# Allegro board pc053a_toplevel_32.brd (continued)
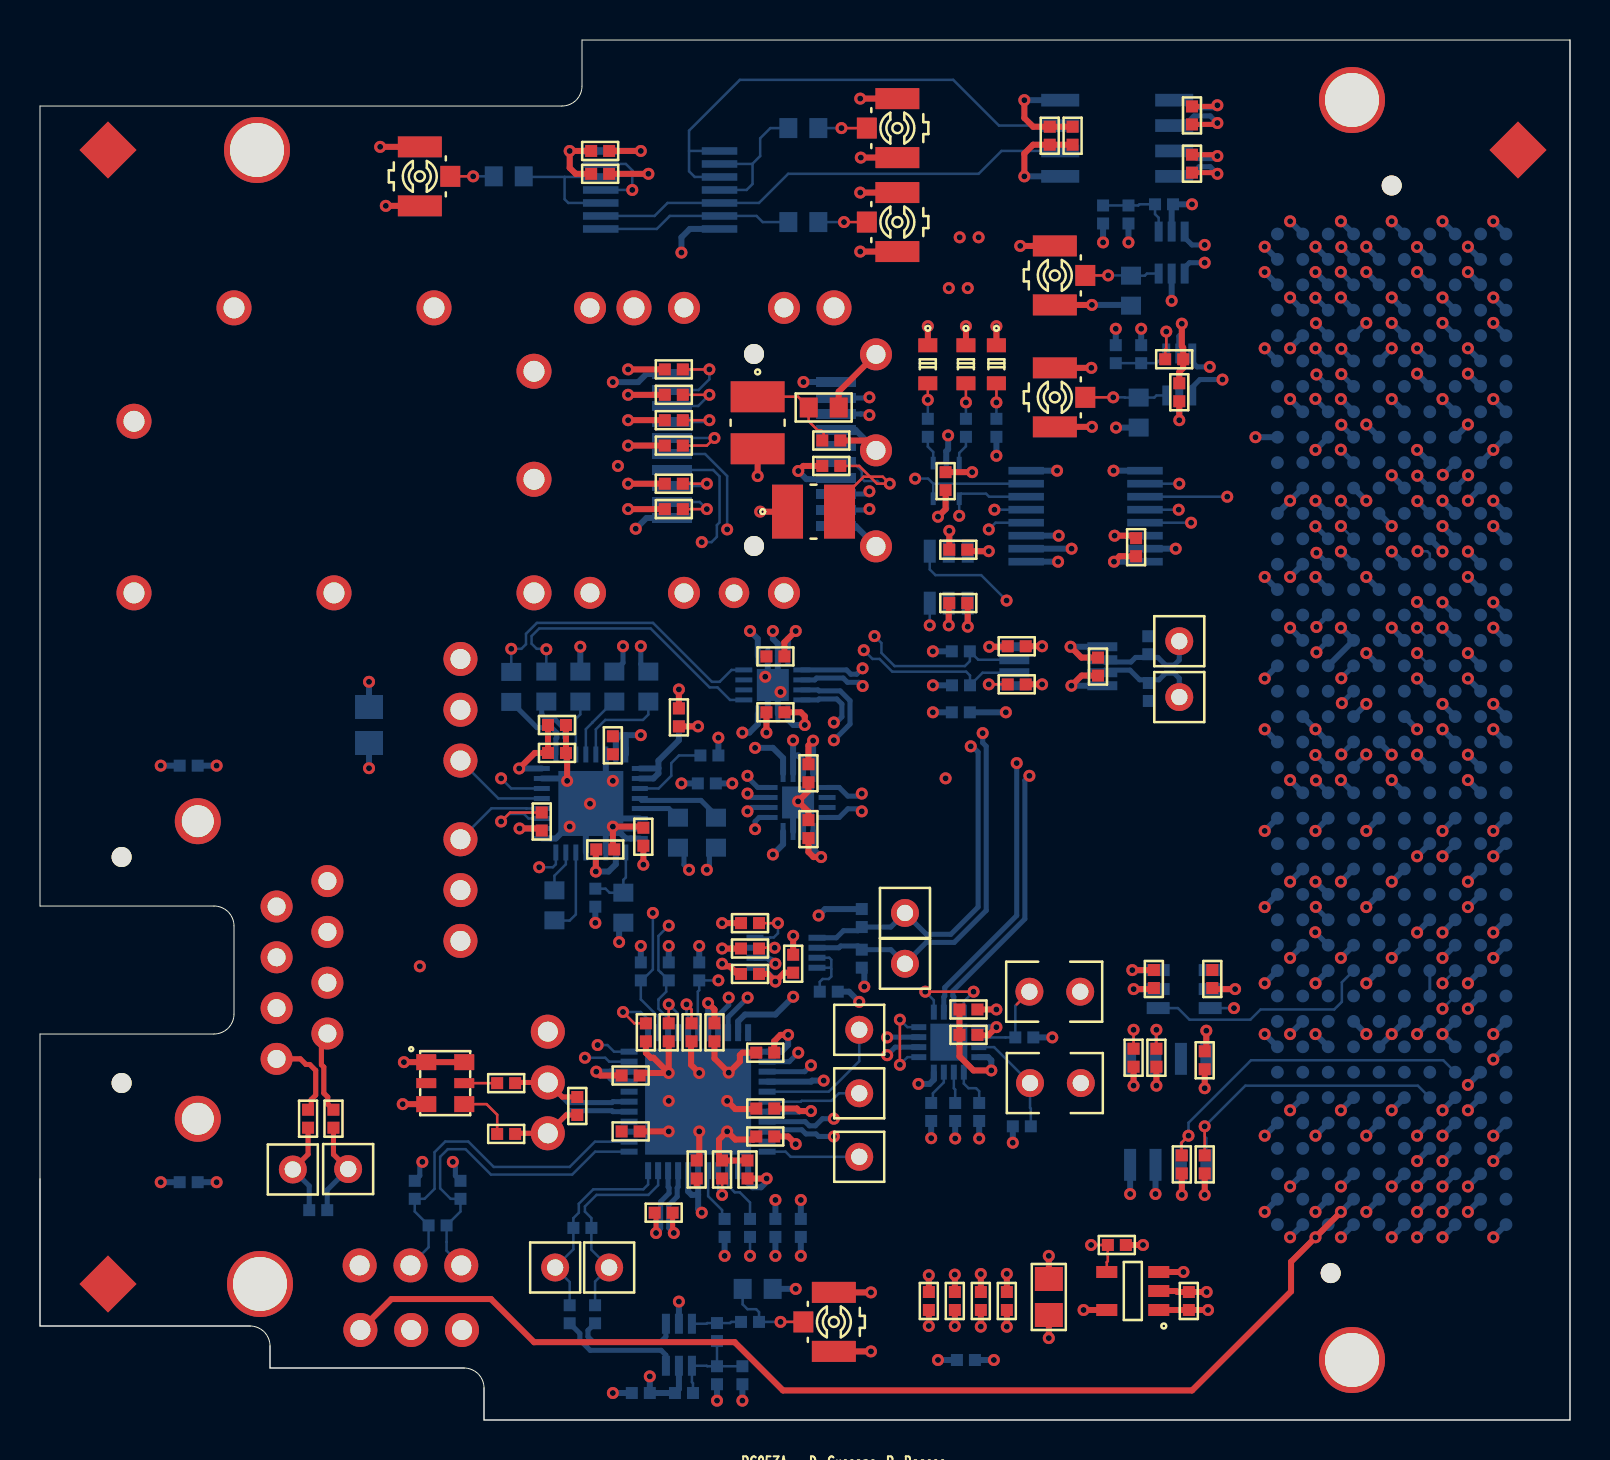
[diagram p0: board, top side]
## Footprints (pads in the part's own frame, mm; a bottom-side part is the same pattern mirrored in y, then rotated) (continued)
SC70_6L
  rect 0.254x0.635 smd: 1(0,0) 2(0.65,0) 3(1.3,0) 4(1.3,1.78) 5(0.65,1.78) 6(0,1.78)
SOIC8S_127
  rect 0.635x1.905 smd: 1(0,0) 2(1.27,0) 3(2.54,0) 4(3.81,0) 5(3.81,5.7) 6(2.54,5.7) 7(1.27,5.7) 8(0,5.7)
SOIC127P600X175-8N
  rect 1.6x0.6 smd: 1(-2.65,1.905) 2(-2.65,0.635) 3(-2.65,-0.635) 4(-2.65,-1.905) 5(2.65,-1.905) 6(2.65,-0.635) 7(2.65,0.635) 8(2.65,1.905)
SOP50P310X90-8N
  rect 0.85x0.3 smd: 1(-1.55,0.75) 2(-1.55,0.25) 3(-1.55,-0.25) 4(-1.55,-0.75) 5(1.55,-0.75) 6(1.55,-0.25) 7(1.55,0.25) 8(1.55,0.75)
SOP65P210X110-6N
  rect 1x0.4 smd: 1(-1.05,0.65) 2(-1.05,0) 3(-1.05,-0.65) 4(1.05,-0.65) 5(1.05,0) 6(1.05,0.65)
SOP65P490X110-8N
  rect 1.5x0.45 smd: 1(-2.2,0.975) 2(-2.2,0.325) 3(-2.2,-0.325) 4(-2.2,-0.975) 5(2.2,-0.975) 6(2.2,-0.325) 7(2.2,0.325) 8(2.2,0.975)
SOT95P280X110-5N
  rect 1.05x0.6 smd: 1(-1.3,0.95) 2(-1.3,0) 3(-1.3,-0.95) 4(1.3,-0.95) 5(1.3,0.95)
SOT95P280X145-6N
  rect 1.15x0.6 smd: 1(-1.3,0.95) 2(-1.3,0) 3(-1.3,-0.95) 4(1.3,-0.95) 5(1.3,0) 6(1.3,0.95)
TP_HOLE_08
  round 1.397 hole 0.813: 1(0,0)
TSSOP14MA_065
  rect 0.381x1.778 smd: 1(0,0) 2(0.65,0) 3(1.3,0) 4(1.95,0) 5(2.6,0) 6(3.25,0) 7(3.9,0) 8(3.9,5.94) 9(3.25,5.94) 10(2.6,5.94) 11(1.95,5.94) 12(1.3,5.94) 13(0.65,5.94) 14(0,5.94)
TSSOP16MA_065
  rect 0.381x1.778 smd: 1(0,0) 2(0.65,0) 3(1.3,0) 4(1.95,0) 5(2.6,0) 6(3.25,0) 7(3.9,0) 8(4.55,0) 9(4.55,5.94) 10(3.9,5.94) 11(3.25,5.94) 12(2.6,5.94) 13(1.95,5.94) 14(1.3,5.94) 15(0.65,5.94) 16(0,5.94)
TYCO_1888247-1
  round 1 hole 1.4 unplated: (0,-4.8) (0,4.8)
  rect 2x0.5 smd: 1(-4.1,3.4) 2(-4.1,2.6) 3(-4.1,1.8) 4(-4.1,1) 5(-4.1,0.2) 6(-4.1,-0.6) 7(-4.1,-1.4) 8(-4.1,-2.2) 9(-4.1,-3) 10(-4.1,-3.8) 11(4.1,-3.4) 12(4.1,-2.6) 13(4.1,-1.8) 14(4.1,-1) 15(4.1,-0.2) 16(4.1,0.6) 17(4.1,1.4) 18(4.1,2.2) 19(4.1,3) 20(4.1,3.8)
unnamed#2
  rect 2.007x2.007 smd rot 135: (0,0)
  rect 2.007x2.007 smd rot 45: (0,0)
unnamed#3
  round 3.302 hole 2.7: (0,0)

## Nets
GND: C3.2(B<0>) C4.2(B<0>) C5.2(B<0>) C6.2(B<0>) C7.1(A<0>) C8.1(A<0>) C9.1(A<0>) C10.1(A<0>) C11.1(A<0>) C12.1(A<0>) C13.1(A<0>) C14.1(A<0>) C15.1(A<0>) C16.1(A<0>) C17.1(A<0>) C18.1(A<0>) C19.1(A<0>) C20.1(A<0>) C29.1(A<0>) C30.1(A<0>) C31.1(A<0>) C32.1(A<0>) C33.1(A<0>) C34.1(A<0>) C35.1(A<0>) C36.1(A<0>) C37.1(A<0>) C38.1(A<0>) C40.1(A<0>) C41.1(A<0>) C42.1(A<0>) C45.1(A<0>) C46.1(A<0>) C47.1(A<0>) C48.1(A<0>) C49.1(A<0>) C51.1(A<0>) C52.1(A<0>) C53.1(A<0>) C54.2(B<0>) C55.2(B<0>) C56.2(B<0>) C57.1(A<0>) C58.1(A<0>) C59.1(A<0>) C60.1(A<0>) C61.1(A<0>) C62.1(A<0>) C63.1(A<0>) C64.1(A<0>) C65.1(A<0>) C66.1(A<0>) C67.1(A<0>) C68.1(A<0>) C69.1(A<0>) C70.1(A<0>) C71.1(A<0>) C72.1(A<0>) C107.1(A<0>) C117.1(A<0>) IC1.1 IC2.3(A2) IC2.4(VSS) IC3.12 IC3.16 IC4.45 IC5.2(VEE) IC6.2(VEE) IC7.2(VEE) IC8.5 IC9.7 IC10.8 IC10.9 IC10.14(2OE*) IC10.15(1OE*) IC11.2 IC12.6(SLICEP) IC12.7(SLICEN) IC12.8 IC12.11(REFCLKN) IC12.13 IC12.17 IC12.23 IC12.30 IC12.33(PAD) IC13.6 IC13.7 IC13.14 IC13.15 IC13.17 IC14.2(GND) IC14.5(DIR) IC15.4 IC16.2(GND) IC16.5(DIR) IC17.6 IC17.7 IC17.14 IC17.15 IC17.17 J1.9 J1.10 J2.1(A<0>) J3.1(A<0>) J4.1(VEET1) J4.10(VEER1) J4.11(VEER2) J4.14(VEER3) J4.17(VEET2) J4.20(VEET3) J5.2(A<1>) J6.2(A<1>) J8.1(A<0>) LD1.2(B) LD2.2(B) LD3.2(B) P1.A1(A<1>) P1.A4(A<4>) P1.A5(A<5>) P1.A8(A<8>) P1.A9(A<9>) P1.A12(A<12>) P1.A13(A<13>) P1.A16(A<16>) P1.A17(A<17>) P1.A20(A<20>) P1.A21(A<21>) P1.A24(A<24>) P1.A25(A<25>) P1.A28(A<28>) P1.A29(A<29>) P1.A32(A<32>) P1.A33(A<33>) P1.A36(A<36>) P1.A37(A<37>) P1.A40(A<40>) P1.B2(B<2>) P1.B3(B<3>) P1.B6(B<6>) P1.B7(B<7>) P1.B10(B<10>) P1.B11(B<11>) P1.B14(B<14>) P1.B15(B<15>) P1.B18(B<18>) P1.B19(B<19>) P1.B22(B<22>) P1.B23(B<23>) P1.B26(B<26>) P1.B27(B<27>) P1.B30(B<30>) P1.B31(B<31>) P1.B34(B<34>) P1.B35(B<35>) P1.B38(B<38>) P1.B39(B<39>) P1.C1(C<1>) P1.C4(C<4>) P1.C5(C<5>) P1.C8(C<8>) P1.C9(C<9>) P1.C12(C<12>) P1.C13(C<13>) P1.C16(C<16>) P1.C17(C<17>) P1.C20(C<20>) P1.C21(C<21>) P1.C24(C<24>) P1.C25(C<25>) P1.C28(C<28>) P1.C29(C<29>) P1.C32(C<32>) P1.C33(C<33>) P1.C36(C<36>) P1.C38(C<38>) P1.C40(C<40>) P1.D2(D<2>) P1.D3(D<3>) P1.D6(D<6>) P1.D7(D<7>) P1.D10(D<10>) P1.D13(D<13>) P1.D16(D<16>) P1.D19(D<19>) P1.D22(D<22>) P1.D25(D<25>) P1.D28(D<28>) P1.D37(D<37>) P1.D39(D<39>) P1.E1(E<1>) P1.E4(E<4>) P1.E5(E<5>) P1.E8(E<8>) P1.E11(E<11>) P1.E14(E<14>) P1.E17(E<17>) P1.E20(E<20>) P1.E23(E<23>) P1.E26(E<26>) P1.E29(E<29>) P1.E32(E<32>) P1.E35(E<35>) P1.E38(E<38>) P1.E40(E<40>) P1.F2(F<2>) P1.F3(F<3>) P1.F6(F<6>) P1.F9(F<9>) P1.F12(F<12>) P1.F15(F<15>) P1.F18(F<18>) P1.F21(F<21>) P1.F24(F<24>) P1.F27(F<27>) P1.F30(F<30>) P1.F33(F<33>) P1.F36(F<36>) P1.F39(F<39>) P1.G1(G<1>) P1.G4(G<4>) P1.G5(G<5>) P1.G8(G<8>) P1.G11(G<11>) P1.G14(G<14>) P1.G17(G<17>) P1.G20(G<20>) P1.G23(G<23>) P1.G26(G<26>) P1.G29(G<29>) P1.G32(G<32>) P1.G35(G<35>) P1.G38(G<38>) P1.G40(G<40>) P1.H2(H<2>) P1.H3(H<3>) P1.H6(H<6>) P1.H9(H<9>) P1.H12(H<12>) P1.H15(H<15>) P1.H18(H<18>) P1.H21(H<21>) P1.H24(H<24>) P1.H27(H<27>) P1.H30(H<30>) P1.H33(H<33>) P1.H36(H<36>) P1.H39(H<39>) P1.J1(J<1>) P1.J4(J<4>) P1.J5(J<5>) P1.J8(J<8>) P1.J11(J<11>) P1.J14(J<14>) P1.J17(J<17>) P1.J20(J<20>) P1.J23(J<23>) P1.J26(J<26>) P1.J29(J<29>) P1.J32(J<32>) P1.J35(J<35>) P1.J38(J<38>) P1.J40(J<40>) P1.K2(K<2>) P1.K3(K<3>) P1.K6(K<6>) P1.K9(K<9>) P1.K12(K<12>) P1.K15(K<15>) P1.K18(K<18>) P1.K21(K<21>) P1.K24(K<24>) P1.K27(K<27>) P1.K30(K<30>) P1.K33(K<33>) P1.K36(K<36>) P1.K39(K<39>) PX1.2 PX1.3 PX2.2 PX2.3 PX3.2 PX3.3 PX4.2 PX4.3 PX5.2 PX5.3 PX6.2 PX6.3 QZ1.3 R2.1(A<0>) R3.2(B<0>) R5.1(A<0>) R6.1(A<0>) R10.2(B<0>) R12.2(B<0>) R17.1(A<0>) R19.1(A<0>) R20.2(B<0>) R21.2(B<0>) R27.1(A<0>) R30.1(A<0>) R31.1(A<0>) R33.1(A<0>) R34.1(A<0>) R36.1(A<0>) R38.1(A<0>) REG1.2(GND) SFP1.1 SFP1.2 SFP1.3 SFP1.4 SFP1.5 SFP1.6 SFP1.7 SFP1.8 SFP1.9 SFP1.10 SFP1.11 SFP1.12 SFP1.13 SFP1.14 SFP1.15 SFP1.16 SFP1.17 SFP1.18 SFP1.19 SFP1.20
P1V8: C12.2(B<0>) C13.2(B<0>) C14.2(B<0>) C19.2(B<0>) C20.2(B<0>) C65.2(B<0>) C117.2(B<0>) IC1.2(VREF1) IC4.21 IC4.32 IC4.39 IC4.40 IC16.1(VCCA) R13.2(B<0>) R14.2(B<0>) R15.2(B<0>) R16.2(B<0>) R40.1(A<0>) R41.1(A<0>) REG1.5(OUT)
P3V3: C3.1(A<0>) C4.1(A<0>) C5.1(A<0>) C6.1(A<0>) C7.2(B<0>) C8.2(B<0>) C9.2(B<0>) C10.2(B<0>) C15.2(B<0>) C29.2(B<0>) C30.2(B<0>) C31.2(B<0>) C32.2(B<0>) C33.2(B<0>) C34.2(B<0>) C35.2(B<0>) C36.2(B<0>) C37.2(B<0>) C40.2(B<0>) C41.2(B<0>) C45.2(B<0>) C46.2(B<0>) C47.2(B<0>) C48.2(B<0>) C49.2(B<0>) C54.1(A<0>) C55.1(A<0>) C56.1(A<0>) C57.2(B<0>) C58.2(B<0>) C59.2(B<0>) C60.2(B<0>) C66.2(B<0>) C69.2(B<0>) C70.2(B<0>) C71.2(B<0>) C72.2(B<0>) C107.2(B<0>) IC3.9 IC4.8 IC4.9 IC4.18(VDDO0) IC4.23(VDDO1) IC4.26 IC4.29(VDDO2) IC4.34(VDDO3) IC5.5(VCC) IC6.5(VCC) IC7.5(VCC) IC8.8 IC9.14 IC10.1 IC12.1 IC12.2 IC12.10(REFCLKP) IC12.12 IC12.18 IC12.24 IC12.31 IC12.32 IC13.5 IC13.8 IC13.13 IC13.16 IC14.1(VCCA) IC15.8(VCCB) IC17.5 IC17.8 IC17.13 IC17.16 J8.2(A<1>) L1.2(B<0>) L2.1(A<0>) P1.C39(C<39>) P1.D36(D<36>) P1.D38(D<38>) P1.D40(D<40>) QZ1.1(EN) QZ1.6 R4.2(B<0>) R22.1(A<0>) R23.1(A<0>) R24.2(B<0>) R25.2(B<0>) R28.1(A<0>) R29.1(A<0>) R32.2(B<0>) R35.2(B<0>) R37.2(B<0>) R56.2(B<0>) R57.2(B<0>) R140.1(A<0>) R411.1(A<0>) REG1.1(IN) REG1.3(EN)
P12V: P1.C35(C<35>) P1.C37(C<37>)
VCC: IC11.5
CDR_LOL: IC10.6(2A<0>) IC11.1(A<0>) IC12.16(LOL)
CDR_LOS: IC10.7(2A<0>) IC11.3(A<0>) IC12.22(LOS)
CLK_RST: IC4.17(RST*) IC16.3(A) R16.1(A<0>)
CLK_SCL: IC1.3(SCL1) IC4.14(SCLK) R14.1(A<0>) R41.2(B<0>)
CLK_SDA: IC1.4(SDA1) IC4.13(SDA/SDIO) R15.1(A<0>) R40.2(B<0>)
CTRLVCC: P1.D32(D<32>)
CVCC: C16.2(B<0>) C17.2(B<0>) C18.2(B<0>) C61.2(B<0>) C67.2(B<0>) C68.2(B<0>) IC2.8(VCC) IC10.2(1DIR) IC10.3(2DIR) IC10.16 IC14.6(VCCB) IC15.1(VCCA) IC16.6(VCCB) J8.3(A<2>) P1.G39(G<39>) P1.H40(H<40>) R1.2(B<0>) R39.2(B<0>) R42.2(B<0>) R43.2(B<0>) R103.2(B<0>) R138.2(B<0>) R142.2(B<0>) R143.2(B<0>) R242.2(B<0>) R1328.2(B<0>)
F_CDR_CLK_N: IC12.25(CLKOUTN) R55.1(A<0>)
F_CDR_CLK_P: IC12.26(CLKOUTP) R54.1(A<0>)
F_CDR_D_N: R53.2(B<0>)
F_CDR_D_P: R52.2(B<0>)
F_FMC_CLK_N: IC4.42(IN3/FB_IN*) P1.G7(G<7>) R18.1(A<0>)
F_FMC_CLK_P: IC4.41(IN3/FB_IN) P1.G6(G<6>) R18.2(B<0>)
F_GPIO_OUT0_N: IC8.4(RIM<0>) P1.G10(G<10>) R45.1(A<0>)
F_GPIO_OUT0_P: IC8.3(RIP<0>) P1.G9(G<9>) R45.2(B<0>)
F_GPIO_OUT1_N: IC8.1(RIM<0>) P1.H8(H<8>) R46.1(A<0>)
F_GPIO_OUT1_P: IC8.2(RIP<0>) P1.H7(H<7>) R46.2(B<0>)
F_MCX_CLK_N: C26.1(A<0>) IC5.6(Q*)
F_MCX_CLK_P: C23.1(A<0>) IC5.1(Q)
F_RJ45_CLK_N: C28.1(A<0>) J1.2(A<1>)
F_RJ45_CLK_P: C22.1(A<0>) J1.1(A<0>)
F_RJ45_D_N: J1.5(A<4>) P1.G19(G<19>)
F_RJ45_D_P: J1.4(A<3>) P1.G18(G<18>)
F_SFP_N: IC13.4(IN*) J4.12(RD-)
F_SFP_P: IC13.1(IN) J4.13(RD+)
FMC_DI_N: P1.H23(H<23>)
FMC_DI_P: P1.H22(H<22>)
FMC_GA0: IC2.2(A1) P1.C34(C<34>) R138.1(A<0>)
FMC_GA1: IC2.1(A0) P1.D35(D<35>) R1328.1(A<0>)
FMC_LA07_N: IC15.3(SDAA) P1.H14(H<14>) R142.1(A<0>) TP2.1(A<0>)
FMC_LA07_P: IC15.2(SCLA) P1.H13(H<13>) R143.1(A<0>) TP4.1(A<0>)
FMC_LA11_N: IC1.5(SDA2) P1.H17(H<17>) R242.1(A<0>) TP1.1(A<0>)
FMC_LA11_P: IC1.6(SCL2) P1.H16(H<16>) R43.1(A<0>) TP3.1(A<0>)
FMC_SCL: IC2.6(SCL) J5.3(A<2>) P1.C30(C<30>) R103.1(A<0>)
FMC_SDA: IC2.5(SDA) J6.3(A<2>) P1.C31(C<31>) R39.1(A<0>)
FPGA_CDR_LOL: IC10.11(2B<0>) P1.G12(G<12>)
FPGA_CDR_LOS: IC10.10(2B<0>) P1.G13(G<13>)
FPGA_CLK_RST: IC16.4(B) P1.G30(G<30>)
FPGA_SFP_LOS: IC10.12(1B<0>) P1.D14(D<14>)
FPGA_SFP_TX_DIS: IC14.4(B) P1.D17(D<17>)
FPGA_SFP_TX_FLT: IC10.13(1B<0>) P1.D18(D<18>)
GPIO_IN0_N: IC6.6(Q*) P1.C11(C<11>)
GPIO_IN0_P: IC6.1(Q) P1.C10(C<10>)
GPIO_IN1_N: IC7.6(Q*) P1.D12(D<12>)
GPIO_IN1_P: IC7.1(Q) P1.D11(D<11>)
IN_N: C44.2(B<0>) IC12.4(NIN)
IN_P: C43.2(B<0>) IC12.5(PIN)
IN_SEL0: IC4.3(IN_SEL0) R17.2(B<0>)
IN_SEL1: IC4.37(IN_SEL1) R19.2(B<0>)
OSC_CLK_N: C25.2(B<0>) IC4.6(XB) J2.2(A<1>) R7.2(B<0>)
OSC_CLK_P: C21.2(B<0>) IC4.5(XA) J2.3(A<2>) R7.1(A<0>)
REC_CLK_N: C27.1(A<0>) IC17.11(Q0*)
REC_CLK_P: C24.1(A<0>) IC17.12(Q0)
S_CLK_IN: C50.1(A<0>) PX1.1(A) R27.2(B<0>)
S_GPIO_IN0: IC6.3(+IN) PX2.1(A) R30.2(B<0>)
S_GPIO_IN1: IC7.3(+IN) PX3.1(A) R31.2(B<0>)
SFP_LOS: IC10.5(1A<0>) J4.8(LOS) R23.2(B<0>)
SFP_SCL: IC12.20(SCK) IC15.7(SCLB) J4.5(MOD_DEF1/SCL) J5.1(A<0>) R411.2(B<0>)
SFP_SDA: IC12.21(SDA) IC15.6(SDAB) J4.4(MOD_DEF2/SDA) J6.1(A<0>) R140.2(B<0>)
SFP_TX_DISABLE: IC14.3(A) J4.3(TX_DISABLE) R28.2(B<0>)
SFP_TX_FAULT: IC10.4(1A<0>) J4.2(TX_FAULT) R29.2(B<0>)
T_CDR_N: C44.1(A<0>) IC13.9(Q1*)
T_CDR_P: C43.1(A<0>) IC13.10(Q1)
T_FFD_CLK_N: IC3.2(CLK*) IC4.19(OUT0*)
T_FFD_CLK_P: IC3.3(CLK) IC4.20(OUT0)
T_FFD_D_N: IC3.6(D*) P1.G22(G<22>)
T_FFD_D_P: IC3.7(D) P1.G21(G<21>)
T_FMC_CLK_N: IC4.24(OUT1*) P1.H5(H<5>)
T_FMC_CLK_P: IC4.25(OUT1) P1.H4(H<4>)
T_FMC_N: IC13.11(Q0*)
T_FMC_P: IC13.12(Q0)
T_FMC_REC_CLK_N: IC17.9(Q1*) P1.G3(G<3>)
T_FMC_REC_CLK_P: IC17.10(Q1) P1.G2(G<2>)
T_MCX_CLK: IC9.11(A<0>) IC9.13(A<0>) R26.2(B<0>)
T_RJ45_CLK_N: IC4.30(OUT2*) J1.6(A<5>)
T_RJ45_CLK_P: IC4.31(OUT2) J1.3(A<2>)
T_RJ45_D_N: J1.8(A<7>) P1.H29(H<29>)
T_RJ45_D_P: J1.7(A<6>) P1.H28(H<28>)
T_SFP_N: C2.1(A<0>) J4.19(TD-)
T_SFP_P: C1.1(A<0>) J4.18(TD+)
UNNAMED_2_CON400P40ABCDEFGHJK_I: P1.D30(D<30>) P1.D31(D<31>)
UNNAMED_2_PCA9306_I276_EN: IC1.7(VREF2) IC1.8(EN) R1.1(A<0>)
UNNAMED_2_PCA9517_I162_EN: IC15.5(EN) R42.1(A<0>)
UNNAMED_3_CAPACITOR_I303_B: C2.2(B<0>) IC3.11(Q*) R6.2(B<0>)
UNNAMED_3_CAPACITOR_I304_B: C1.2(B<0>) IC3.10(Q) R5.2(B<0>)
UNNAMED_3_NBSG53A_I298_OLS: IC3.13(OLS) R3.1(A<0>)
UNNAMED_3_NBSG53A_I298_R: IC3.15(R) R2.2(B<0>)
UNNAMED_3_NBSG53A_I298_SEL: IC3.14(SEL) R4.1(A<0>)
UNNAMED_3_NBSG53A_I298_VTCLK: IC3.1(VTCLK*) IC3.4(VTCLK)
UNNAMED_3_NBSG53A_I298_VTD: IC3.5(VTD*) IC3.8(VTD)
UNNAMED_4_CAPCERSMDCL2_I90_B: C11.2(B<0>) REG1.4(NR)
UNNAMED_4_CAPCERSMDCL2_I113_B: C23.2(B<0>) IC4.43(IN0) R9.1(A<0>) TP7.1(A<0>)
UNNAMED_4_CAPCERSMDCL2_I114_B: C26.2(B<0>) IC4.44(IN0*) R9.2(B<0>) TP8.1(A<0>)
UNNAMED_4_CAPCERSMDCL2_I115_B: C24.2(B<0>) IC4.1(IN1) J3.3(A<2>) R11.2(B<0>)
UNNAMED_4_CAPCERSMDCL2_I116_B: C27.2(B<0>) IC4.2(IN1*) J3.2(A<1>) R11.1(A<0>)
UNNAMED_4_CAPCERSMDCL2_I117_B: C22.2(B<0>) IC4.10(IN2) R8.1(A<0>) TP5.1(A<0>)
UNNAMED_4_CAPCERSMDCL2_I118_B: C28.2(B<0>) IC4.11(IN2*) R8.2(B<0>) TP6.1(A<0>)
UNNAMED_4_CAPCERSMDCL2_I119_A: C21.1(A<0>) QZ1.4(OUTP)
UNNAMED_4_CAPCERSMDCL2_I120_A: C25.1(A<0>) QZ1.5(OUTN)
UNNAMED_4_RSMD0402_I16_A: IC4.12(OE*) R10.1(A<0>)
UNNAMED_4_RSMD0402_I47_A: IC4.38(I2C_SEL) R13.1(A<0>)
UNNAMED_4_RSMD0402_I49_A: IC4.15(A1/SDO) R20.1(A<0>)
UNNAMED_4_RSMD0402_I50_A: IC4.16(A0/CS) R21.1(A<0>)
UNNAMED_4_RSMD0402_I123_A: IC4.36(OUT3) R26.1(A<0>)
UNNAMED_4_SI5344_I110_INTR: IC4.33(INTR*) TP9.1(A<0>)
UNNAMED_4_SI5344_I110_LOL: IC4.27(LOL*) TP10.1(A<0>)
UNNAMED_4_SI5344_I110_LOSXAXB: IC4.28(LOS_XAXB*) TP11.1(A<0>)
UNNAMED_5_74LCX04_I304_Y: IC9.10(Y*<0>) IC9.12(Y*<0>) R47.1(A<0>)
UNNAMED_5_74LCX04_I317_A: IC8.7(RO<0>) IC9.1(A<0>) IC9.3(A<0>)
UNNAMED_5_74LCX04_I317_Y: IC9.2(Y*<0>) IC9.4(Y*<0>) R49.1(A<0>)
UNNAMED_5_74LCX04_I323_A: IC8.6(RO<0>) IC9.5(A<0>) IC9.9(A<0>)
UNNAMED_5_74LCX04_I323_Y: IC9.6(Y*<0>) IC9.8(Y*<0>) R48.1(A<0>)
UNNAMED_5_ADCMP604_I256_: C51.2(B<0>) IC5.4(-IN) R32.1(A<0>) R33.2(B<0>) R44.1(A<0>)
UNNAMED_5_ADCMP604_I256__1: C50.2(B<0>) IC5.3(+IN) R44.2(B<0>)
UNNAMED_5_ADCMP604_I285_: C52.2(B<0>) IC6.4(-IN) R35.1(A<0>) R36.2(B<0>)
UNNAMED_5_ADCMP604_I294_: C53.2(B<0>) IC7.4(-IN) R37.1(A<0>) R38.2(B<0>)
UNNAMED_5_PCOAX_I312_A: PX4.1(A) R47.2(B<0>)
UNNAMED_5_PCOAX_I315_A: PX6.1(A) R49.2(B<0>)
UNNAMED_5_PCOAX_I321_A: PX5.1(A) R48.2(B<0>)
UNNAMED_11_ADN2814_I23_CF1: C39.1(A<0>) IC12.15(CF1)
UNNAMED_11_ADN2814_I23_CF2: C39.2(B<0>) IC12.14(CF2)
UNNAMED_11_ADN2814_I23_DATAOUTN: IC12.28(DATAOUTN) R53.1(A<0>)
UNNAMED_11_ADN2814_I23_DATAOUTP: IC12.29(DATAOUTP) R52.1(A<0>)
UNNAMED_11_ADN2814_I23_SADDRS: IC12.19(SADDRS) R57.1(A<0>)
UNNAMED_11_ADN2814_I23_SQUELCH: IC12.27(SQUELCH) R12.1(A<0>)
UNNAMED_11_ADN2814_I23_THRADJ: C42.2(B<0>) IC12.9(THRADJ) R34.2(B<0>)
UNNAMED_11_ADN2814_I23_VREF: C38.2(B<0>) IC12.3(VREF)
UNNAMED_11_CON20PSFP_I175_MODDE: J4.6(MOD_DEF0/MOD_ABS) R25.1(A<0>)
UNNAMED_11_CON20PSFP_I175_RATES: J4.7(RATE_SELECT/RS0) R24.1(A<0>)
UNNAMED_11_CON20PSFP_I175_VCCR: C63.2(B<0>) C64.2(B<0>) J4.15(VCCR) L1.1(A<0>)
UNNAMED_11_CON20PSFP_I175_VCCT: C62.2(B<0>) J4.16(VCCT) L2.2(B<0>)
UNNAMED_11_CON20PSFP_I175_VEER: J4.9(VEER/RS1) R22.2(B<0>)
UNNAMED_11_LED1_I225_A: LD1.1(A) R50.1(A<0>)
UNNAMED_11_LED1_I226_A: LD2.1(A) R51.1(A<0>)
UNNAMED_11_LED1_I227_A: LD3.1(A) R56.1(A<0>)
UNNAMED_11_RSMD0402_I232_B: IC11.6(Y<0>) R50.2(B<0>)
UNNAMED_11_RSMD0402_I233_B: IC11.4(Y<0>) R51.2(B<0>)
UNNAMED_11_RSMD0603_I241_B: IC17.1(IN) R54.2(B<0>)
UNNAMED_11_RSMD0603_I242_B: IC17.4(IN*) R55.2(B<0>)

Pads without a net: IC2 7; IC3 17; IC4 4 7 22 35; IC13 2 3; IC17 2 3; P1 A2 A3 A6 A7 A10 A11 A14 A15 A18 A19 A22 A23 A26 A27 A30 A31 A34 A35 A38 A39 B1 B4 B5 B8 B9 B12 B13 B16 B17 B20 B21 B24 B25 B28 B29 B32 B33 B36 B37 B40 C2 C3 C6 C7 C14 C15 C18 C19 C22 C23 C26 C27 D1 D4 D5 D8 D9 D15 D20 D21 D23 D24 D26 D27 D29 D33 D34 E2 E3 E6 E7 E9 E10 E12 E13 E15 E16 E18 E19 E21 E22 E24 E25 E27 E28 E30 E31 E33 E34 E36 E37 E39 F1 F4 F5 F7 F8 F10 F11 F13 F14 F16 F17 F19 F20 F22 F23 F25 F26 F28 F29 F31 F32 F34 F35 F37 F38 F40 G15 G16 G24 G25 G27 G28 G31 G33 G34 G36 G37 H1 H10 H11 H19 H20 H25 H26 H31 H32 H34 H35 H37 H38 J2 J3 J6 J7 J9 J10 J12 J13 J15 J16 J18 J19 J21 J22 J24 J25 J27 J28 J30 J31 J33 J34 J36 J37 J39 K1 K4 K5 K7 K8 K10 K11 K13 K14 K16 K17 K19 K20 K22 K23 K25 K26 K28 K29 K31 K32 K34 K35 K37 K38 K40; QZ1 2; SFP1 NC

## Via types
v1: diameter 0.6, hole 0.3, TOP to BOTTOM, 489 vias

## Routing (per net, layer and track width the routed paths; a pad name or vN(x,y) marks a point on that pad's centre or on a via; arc(x,y) is an arc through that point)
GND: length 454.1
  TOP w0.3: C60.1 26.78,62.31 26.48,62.61 v1(26.48,63.45) C59.1 ; C49.1 33.72,18.08 v1(34.44,17.37) 34.99,17.92 34.99,18.24 35.12,18.37 C46.1 ; v1(44.9,45.16) 45.28,45.55 C15.1 ; v1(51.57,36.71) 52.08,37.22 C16.1 ; C20.1 v1(44.44,7.24) ; C12.1 v1(50.44,8.21) ; 45.46,40.85 45.44,40.82 v1(45.44,39.73) ; PX5.3 v1(41.01,61.37) ; 41.8,53.28 39.93,51.41 C64.1 ; C56.2 v1(56.96,49.99) ; R17.1 v1(31.44,14.43) ; C29.1 30.11,29.67 v1(28.64,29.67) 28.64,28.6 C36.1 ; C67.1 55.64,21.55 v1(54.68,21.55) ; C117.1 37.21,22.36 v1(36.77,21.92) 36.39,22.3 C17.1 ; C55.2 R19.1 33.95,13.13 33.95,14.02 v1(34.36,14.43) 34.77,14.02 35.66,14.02 C45.1 ; C31.1 30.11,17.35 v1(31.44,17.35) ; PX2.3 v1(52.6,55.75) ; PX3.2 v1(52.57,52.61) ; v1(31.44,17.35) 30.67,18.11 30.54,18.11 30.29,18.36 R10.2 ; v1(31.44,17.35) R20.2 ; PX2.2 v1(49.01,58.7) ; C30.1 C37.1 26.36,33.3 v1(26.36,31.96) ; C7.1 C8.1 45.97,18.18 46.68,17.48 v1(47.57,17.48) ; C65.1 58.67,21.55 v1(59.75,21.55) ; C18.1 v1(58.23,16.59) ; PX4.3 v1(17.29,60.71) ; PX3.3 v1(52.6,49.66) ; SFP1.19 41.31,48.97 C63.1 ; C69.1 38.42,30.41 v1(37.9,30.93) 38.42,31.45 C70.1 ; C32.1 35.79,15.55 34.77,15.55 v1(34.36,15.95) ; C34.1 v1(31.94,36.53) ; C19.1 v1(45.74,7.27) ; C14.1 v1(47.04,7.3) ; PX5.2 v1(41.01,58.42) ; C48.1 32.96,13.1 v1(32.96,14.43) ; v1(58.33,6.4) C9.1 56.86,6.4 56.81,6.45 REG1.2 ; v1(37.91,47.45) 38.17,47.7 C62.1 ; 45.46,43.51 v1(45.46,44.46) ; C57.1 C58.1 49.66,63.76 49.22,63.33 v1(49.22,62.18) ; C13.1 v1(48.34,7.31) ; PX6.3 v1(41.01,66.07) ; PX6.2 v1(41.04,63.12) ; PX1.2 v1(41.55,3.43) ; LD1.2 v1(46.3,54.69) ; C107.1 v1(50.11,38.69) ; R21.2 32.55,18.91 32.55,17.76 v1(32.96,17.35) ; C72.1 v1(36.32,34.37) ; C61.1 54.68,44.22 v1(53.73,44.22) ; C11.1 v1(55.15,8.75) ; LD3.2 v1(47.82,54.69) ; PX1.3 v1(41.55,6.38) ; QZ1.3 v1(18.14,15.79) ; PX4.2 v1(17.01,63.66) ; LD2.2 v1(44.39,54.69)
  L2GND w0.4: SFP1.17 37.2,56.58 ; SFP1.17 38.18,55.61 ; SFP1.17 36.22,55.61 ; SFP1.17 37.2,54.63 ; 27.5,40.38 SFP1.12 ; SFP1.12 26.52,41.36 ; SFP1.12 27.5,42.33 ; SFP1.12 28.48,41.36 ; 33.76,41.36 SFP1.1 ; SFP1.1 35.64,41.36 ; SFP1.1 34.7,40.42 ; SFP1.1 34.7,42.3 ; 39.7,54.55 SFP1.8 ; SFP1.8 40.75,55.61 ; SFP1.8 39.7,56.66 ; SFP1.8 38.65,55.61 ; J5.2 22.05,26.5 ; J5.2 19.99,26.5 ; J5.2 21.02,27.52 ; J5.2 21.02,25.47 ; 37.2,40.38 SFP1.16 ; SFP1.16 36.22,41.36 ; SFP1.16 37.2,42.33 ; SFP1.16 38.18,41.36 ; 23.65,52.44 SFP1.10 ; SFP1.10 25.75,52.44 ; SFP1.10 24.7,51.38 ; SFP1.10 24.7,53.49 ; 29.7,54.55 SFP1.7 ; SFP1.7 28.65,55.61 ; SFP1.7 29.7,56.66 ; SFP1.7 30.75,55.61 ; SFP1.3 15.75,41.36 ; SFP1.3 13.65,41.36 ; SFP1.3 14.7,42.41 ; SFP1.3 14.7,40.3 ; 31.22,55.61 SFP1.15 ; SFP1.15 32.2,56.58 ; SFP1.15 33.18,55.61 ; SFP1.15 32.2,54.63 ; J1.10 9.22,29.94 ; J1.10 7.89,28.61 ; J1.10 7.89,31.27 ; J1.10 6.56,29.94 ; SFP1.4 4.7,42.41 ; SFP1.4 4.7,40.3 ; SFP1.4 3.65,41.36 ; SFP1.4 5.75,41.36 ; 40.82,43.68 41.8,43.68 ; 41.8,43.68 41.8,44.66 ; 41.8,43.68 42.78,43.68 ; 41.8,43.68 41.8,42.7 ; SFP1.5 10.75,55.61 ; SFP1.5 8.65,55.61 ; SFP1.5 9.7,56.66 ; SFP1.5 9.7,54.55 ; J1.9 9.22,15.06 ; J1.9 6.56,15.06 ; J1.9 7.89,16.39 ; J1.9 7.89,13.73 ; J2.1 25.39,20.44 ; J2.1 25.39,18.39 ; J2.1 24.36,19.42 ; J2.1 26.42,19.42 ; 18.65,55.61 SFP1.6 ; SFP1.6 19.7,54.55 ; SFP1.6 20.75,55.61 ; SFP1.6 19.7,56.66 ; SFP1.2 24.7,42.41 ; SFP1.2 24.7,40.3 ; SFP1.2 23.65,41.36 ; SFP1.2 25.75,41.36 ; 23.65,47.04 SFP1.9 ; SFP1.9 24.7,48.09 ; SFP1.9 25.75,47.04 ; SFP1.9 24.7,45.98 ; 19.99,35.51 J6.2 ; J6.2 21.02,36.54 ; J6.2 22.05,35.51 ; J6.2 21.02,34.48 ; 32.2,40.38 SFP1.14 ; SFP1.14 33.18,41.36 ; SFP1.14 32.2,42.33 ; SFP1.14 31.22,41.36 ; 40.82,48.48 SFP1.19 ; SFP1.19 41.8,49.46 ; SFP1.19 42.78,48.48 ; SFP1.19 41.8,47.5 ; 26.52,55.61 SFP1.13 ; SFP1.13 28.48,55.61 ; SFP1.13 27.5,54.63 ; SFP1.13 27.5,56.58 ; 15.98,6.7 J3.1 ; J3.1 14.95,7.73 ; J3.1 15.98,8.76 ; J3.1 17.01,7.73 ; 41.8,52.3 41.8,53.28 ; 41.8,53.28 42.78,53.28 ; 41.8,53.28 40.82,53.28 ; 41.8,53.28 41.8,54.26 ; J8.1 21.1,5.53 ; J8.1 21.1,3.47 ; J8.1 20.07,4.5 ; J8.1 22.13,4.5 ; SFP1.11 4.7,50.99 ; SFP1.11 3.65,49.94 ; SFP1.11 4.7,48.88 ; SFP1.11 5.75,49.94
  BOTTOM w0.3: P1.H24 v1(63.77,29.45) ; IC14.2 v1(45.44,39.73) ; P1.E14 v1(67.58,43.42) ; v1(32.07,58.37) 32.07,59.13 32.49,59.55 IC9.7 ; IC15.4 v1(51.57,36.71) ; P1.G1 v1(65.04,59.94) ; P1.J11 v1(62.5,45.97) P1.K12 ; P1.D3 v1(68.85,57.4) ; P1.F24 v1(66.31,29.45) ; v1(44.9,45.16) 45.31,45.58 IC11.2 ; P1.F27 v1(66.31,25.64) ; P1.J40 v1(62.5,9.13) ; P1.K6 v1(61.23,53.59) ; P1.C25 v1(70.12,28.18) ; P1.A1 v1(72.66,59.94) ; P1.H18 P1.G17 v1(65.04,39.62) ; P1.C33 v1(70.12,19.3) P1.C32 ; R12.2 v1(27.02,38.66) ; P1.B26 v1(71.39,26.91) ; IC3.16 44.69,17.02 44.48,16.8 v1(43.92,16.8) ; P1.B7 v1(71.39,52.31) ; P1.C5 v1(70.12,54.85) ; IC10.15 v1(56.78,43.56) ; P1.G40 v1(65.04,9.13) ; P1.G11 v1(66.31,45.97) ; J4.17 39.74,47.04 38.32,47.04 v1(37.91,47.45) ; R34.1 29.17,24.86 28.96,24.65 v1(28.96,23.9) ; P1.D22 v1(68.85,33.27) ; J4.11 v1(38.17,51.9) ; P1.F18 v1(66.31,38.34) ; P1.J32 v1(62.5,19.3) ; IC12.8 29.54,29.08 29.54,29.08 29.29,29.08 28.79,29.58 ; IC17.6 36.39,37 IC17.17 ; P1.E11 v1(67.58,47.23) ; P1.K9 v1(60.77,49.14) ; 41.8,43.68 40.78,44.7 J4.20 ; P1.H30 v1(63.77,21.84) ; P1.B27 v1(71.39,25.64) ; P1.K36 v1(61.23,14.21) ; P1.J38 v1(62.5,11.68) ; 37.65,33.23 37.91,33.23 38.15,32.98 IC13.15 ; 37.65,33.23 IC13.14 ; 37.65,33.23 v1(37.65,33.98) ; P1.B31 v1(71.39,20.57) ; IC2.3 v1(55.78,11.3) ; P1.C8 v1(70.12,51.05) ; P1.B38 v1(71.39,11.68) ; P1.E40 v1(67.58,9.13) ; P1.D37 v1(68.85,12.95) ; C47.1 v1(38.04,8.21) ; C42.1 v1(27.77,24.86) ; P1.B11 v1(71.39,45.97) ; P1.K18 v1(61.23,37.08) ; P1.G5 v1(66.31,54.85) ; C34.1 v1(31.94,36.53) ; v1(71.39,10.41) P1.B39 ; IC13.17 37.65,30.63 IC13.7 ; IC13.17 v1(37.9,30.93) ; IC13.17 38.15,30.63 IC13.6 ; IC16.5 v1(54.68,21.55) ; P1.C17 v1(70.12,39.62) ; P1.E38 v1(67.58,11.68) ; P1.F30 v1(66.31,21.84) ; R36.1 v1(53.15,58.88) ; C51.1 v1(33.85,0.97) ; C4.2 v1(6.04,32.72) ; C3.2 v1(6.04,11.89) ; P1.E32 v1(67.58,19.3) P1.F33 ; IC3.12 47.41,18.14 47.57,17.99 v1(47.57,17.48) ; IC17.15 36.39,36.5 IC17.17 ; P1.A25 v1(72.66,28.18) ; P1.H36 v1(63.77,14.21) ; P1.C12 v1(70.12,45.97) ; v1(71.39,21.84) P1.B30 ; P1.H27 v1(63.77,26.91) ; P1.D25 v1(68.85,28.18) ; P1.A37 v1(72.66,12.95) ; v1(70.12,59.94) 70.12,59.92 70.75,59.3 P1.C1 ; P1.C29 v1(70.12,23.11) ; P1.D19 v1(68.85,37.08) ; P1.B34 v1(71.39,16.76) ; P1.B10 v1(72.66,48.51) P1.A9 ; IC12.33 26.29,32.08 IC12.23 ; IC12.33 28.29,31.58 IC12.30 ; IC12.33 27.29,30.58 ; IC12.33 28.29,30.08 ; P1.A33 v1(72.66,18.02) ; P1.G23 v1(65.04,32) ; P1.J26 v1(62.5,26.91) ; P1.K27 v1(61.23,25.64) ; P1.A8 v1(72.66,51.05) ; P1.J5 v1(62.5,53.59) ; v1(28.64,51.9) 29.91,51.9 30.32,52.3 J4.10 ; P1.A21 v1(72.66,34.53) ; P1.K2 v1(61.23,58.66) ; R2.1 v1(44.56,14.09) ; v1(45.46,44.46) 45.46,43.47 IC14.5 ; P1.H9 v1(63.77,48.51) ; P1.H33 v1(63.77,19.3) ; P1.C36 v1(70.12,14.21) ; v1(72.66,44.7) P1.A13 ; P1.C40 v1(70.12,9.13) ; P1.F9 v1(66.31,49.77) ; P1.B19 v1(71.39,37.08) ; IC12.6 28.29,30.08 ; 28.29,30.08 28.79,29.58 ; 28.29,30.08 IC12.11 ; v1(36.77,21.92) 36.77,21.96 36.12,22.61 IC1.1 ; P1.D7 v1(68.85,52.31) ; P1.F21 v1(67.58,33.27) ; J4.14 40.78,49.5 SFP1.19 ; P1.B15 v1(71.39,42.16) ; C54.2 v1(28.64,1.35) ; P1.H12 v1(63.77,45.97) ; P1.G35 v1(65.04,15.48) ; P1.E1 v1(67.58,59.94) ; P1.C38 v1(70.12,11.68) ; v1(71.39,15.48) P1.B35 ; IC16.2 v1(59.75,21.55) ; P1.A24 v1(72.66,29.45) ; P1.B23 v1(71.39,32) ; IC12.17 25.54,29.08 25.54,29.08 25.79,29.08 27.29,30.58 ; P1.D10 v1(68.85,48.51) ; IC6.2 v1(56.58,55.96) ; P1.E8 v1(67.58,51.05) ; P1.G8 v1(65.04,51.05) ; C40.1 v1(34.61,31.83) ; v1(67.58,23.11) P1.E29 ; R5.1 v1(50.61,19.13) ; C38.1 v1(33.92,34.11) ; P1.C21 v1(70.12,34.53) ; P1.J35 v1(62.5,15.48) ; P1.J1 v1(62.5,59.94) ; P1.H3 v1(63.77,57.4) ; P1.F39 v1(66.31,10.41) ; J4.1 30.32,45.1 v1(29.79,44.56) ; P1.G4 v1(65.04,56.12) ; P1.D2 68.87,58.65 v1(68.85,58.65) ; IC8.5 v1(49.22,62.18) ; IC17.14 36.89,36.5 IC17.17 ; R3.2 v1(46.96,14.08) ; P1.E20 v1(68.85,34.53) ; P1.G29 v1(65.04,23.11) ; 28.79,29.58 IC12.7 ; P1.B18 v1(71.39,38.34) ; 27.29,30.58 IC12.13 ; P1.C28 v1(70.12,24.38) ; IC7.2 v1(56.96,49.99) ; P1.A12 v1(72.66,45.97) ; IC17.17 36.89,37 IC17.7 36.89,38.81 36.64,39.06 v1(36.64,39.45) ; C6.2 v1(48.29,35.38) ; v1(68.85,40.9) 68.85,40.89 P1.D16 ; P1.D6 v1(68.85,53.59) ; P1.H21 v1(63.77,34.53) P1.J20 ; P1.K21 v1(61.23,34.53) ; P1.A5 v1(72.66,54.85) ; C53.1 v1(55.06,54.56) ; P1.F15 v1(66.31,42.16) ; P1.H39 v1(63.77,10.41) ; R6.1 v1(48.64,13.86) ; P1.E17 v1(67.58,39.62) ; P1.E4 v1(67.58,56.12) ; P1.G38 v1(65.04,11.68) ; P1.J8 v1(62.5,51.05) ; P1.G20 v1(66.31,35.8) ; P1.C16 v1(70.12,40.88) ; P1.A17 v1(72.66,39.62) ; P1.H2 v1(63.77,58.66) ; C5.2 v1(47.69,3) ; v1(72.66,9.13) P1.A40 ; R27.1 v1(37.79,6.56) ; IC5.2 v1(31.94,5.92) ; P1.A32 v1(72.66,19.3) ; P1.D39 v1(68.85,10.41) ; P1.A36 v1(72.66,14.21) ; P1.H15 v1(63.77,42.16) ; v1(52.6,55.75) 54.51,55.75 R30.1 ; v1(71.39,49.77) P1.C9 ; P1.K24 v1(61.23,29.45) ; P1.F3 v1(66.31,57.4) ; P1.B2 v1(71.39,58.66) ; P1.C20 v1(70.12,35.8) ; R33.1 v1(35.12,0.97) ; P1.C4 v1(70.12,56.12) ; P1.A20 v1(72.66,35.8) ; P1.E5 v1(67.58,54.85) ; P1.E26 v1(67.58,26.91) ; P1.C24 v1(70.12,29.45) ; P1.B22 v1(71.39,33.27) ; P1.K3 v1(61.23,57.4) ; P1.F2 v1(66.31,58.66) ; P1.G14 v1(65.04,43.42) ; 55.25,44.22 v1(53.73,44.22) ; IC2.4 v1(54.51,11.3) ; C52.1 v1(54.42,58.88) ; IC10.9 v1(53.68,47.47) ; P1.A28 v1(72.66,24.38) ; P1.A4 v1(72.66,56.12) ; P1.J14 v1(62.5,42.16) ; P1.K15 v1(61.23,42.16) ; P1.F12 v1(67.58,44.7) ; R31.1 v1(53.8,49.62) ; P1.F6 v1(67.58,53.59) ; P1.G32 v1(66.31,19.3) ; P1.K33 v1(61.23,19.3) ; P1.A29 v1(72.66,23.11) ; P1.E23 v1(67.58,32) ; P1.D28 v1(68.85,24.38) ; P1.E35 v1(67.58,15.48) ; P1.B6 v1(71.39,53.59) ; P1.F36 v1(66.31,14.21) ; P1.K39 v1(61.23,10.41) ; P1.G26 v1(65.04,26.91) ; P1.K30 v1(61.23,21.84) ; P1.B3 v1(71.39,57.4) ; P1.B14 v1(71.39,43.42) ; P1.J23 v1(62.5,32) ; IC10.8 v1(50.85,47.47) ; R38.1 v1(53.79,54.56) ; C35.1 v1(16.45,36.91) ; P1.J29 v1(62.5,23.11) ; P1.C13 v1(70.12,44.7) ; C10.1 v1(36.77,8.21) ; P1.D13 v1(70.12,43.42) ; P1.H6 v1(63.77,53.59) ; P1.A16 v1(72.66,40.88) ; P1.J17 v1(62.5,39.62) ; P1.J4 v1(62.5,56.12)
  vias: v1(26.48,29.67) v1(27.5,30.81) v1(28.64,31.96) v1(31.44,15.95) v1(36.26,37.16) v1(37.02,36.4)
